# Altium PCB AIWAC_A33_RGB5寸LCD驱动板_20190109.PcbDoc (part 1 of 14)
Units mm, origin at the board's own origin, x right, y up, seen from the top; angles counter-clockwise.
Board outline 96.45 x 44.9 mm, 2 copper layers (Top Layer, Bottom Layer); 32 components, 42 nets, 22766 pads, 749 vias.
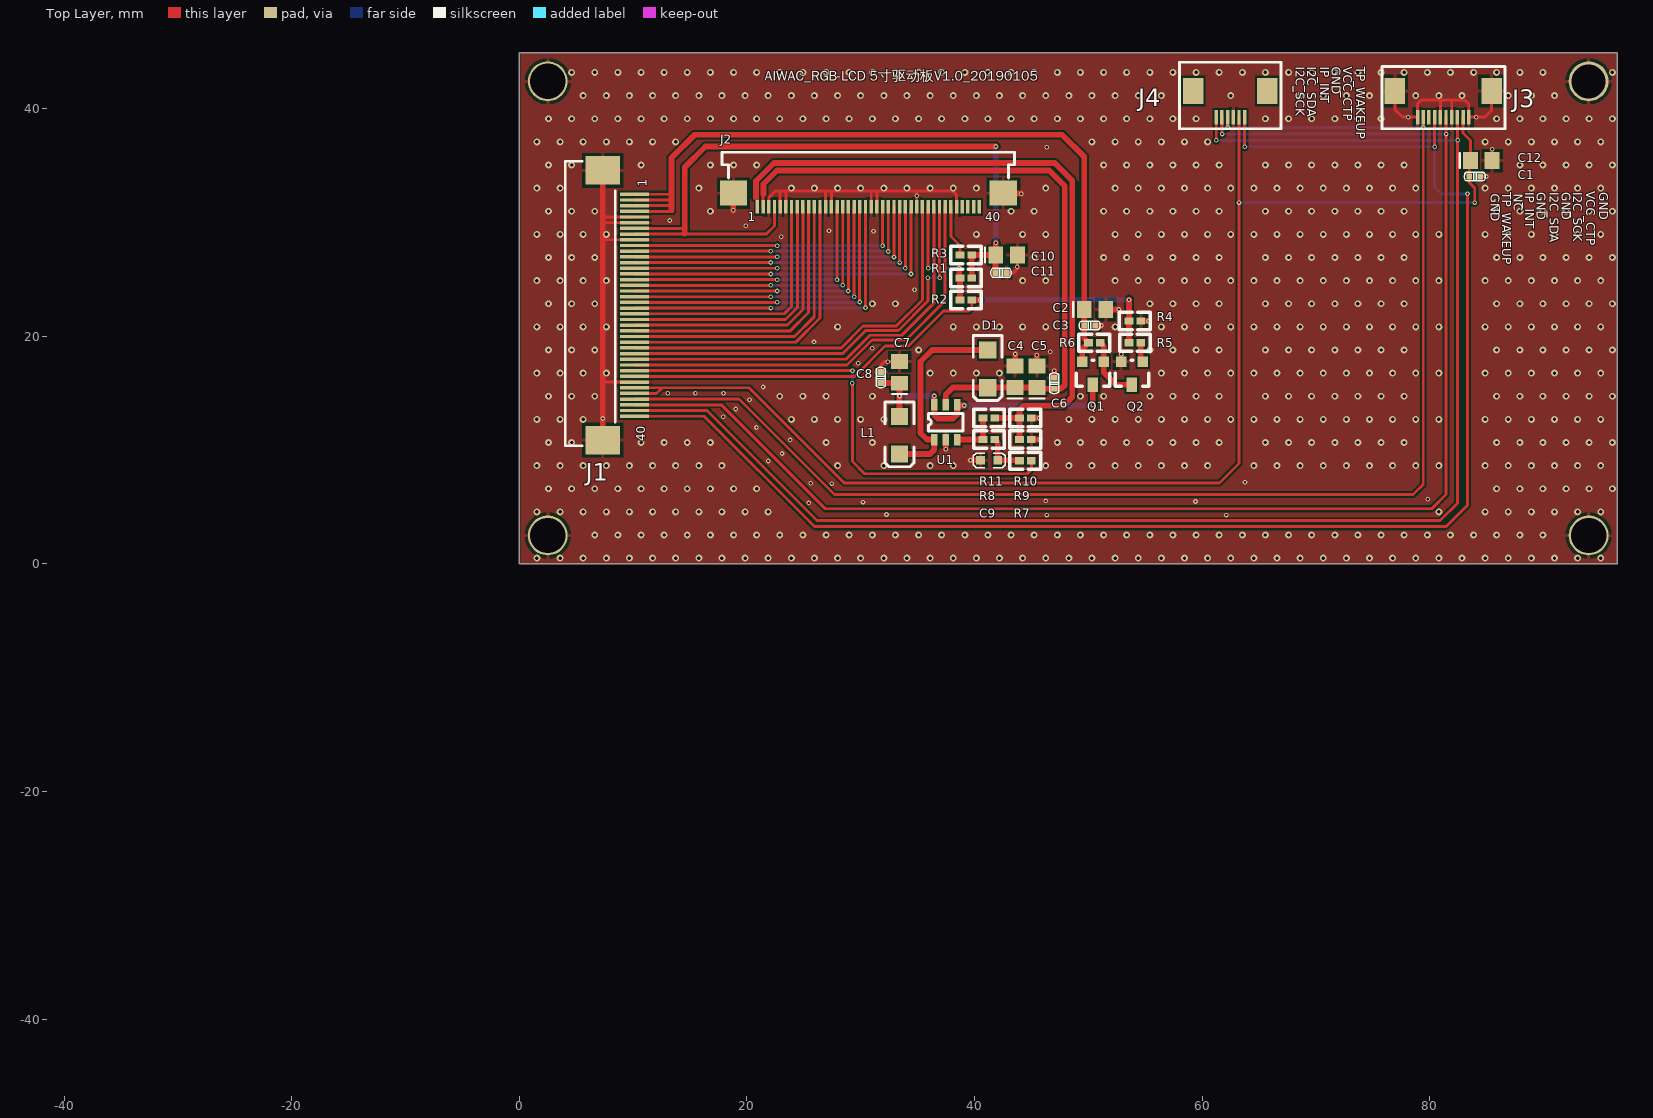
[diagram p0: Top Layer view]
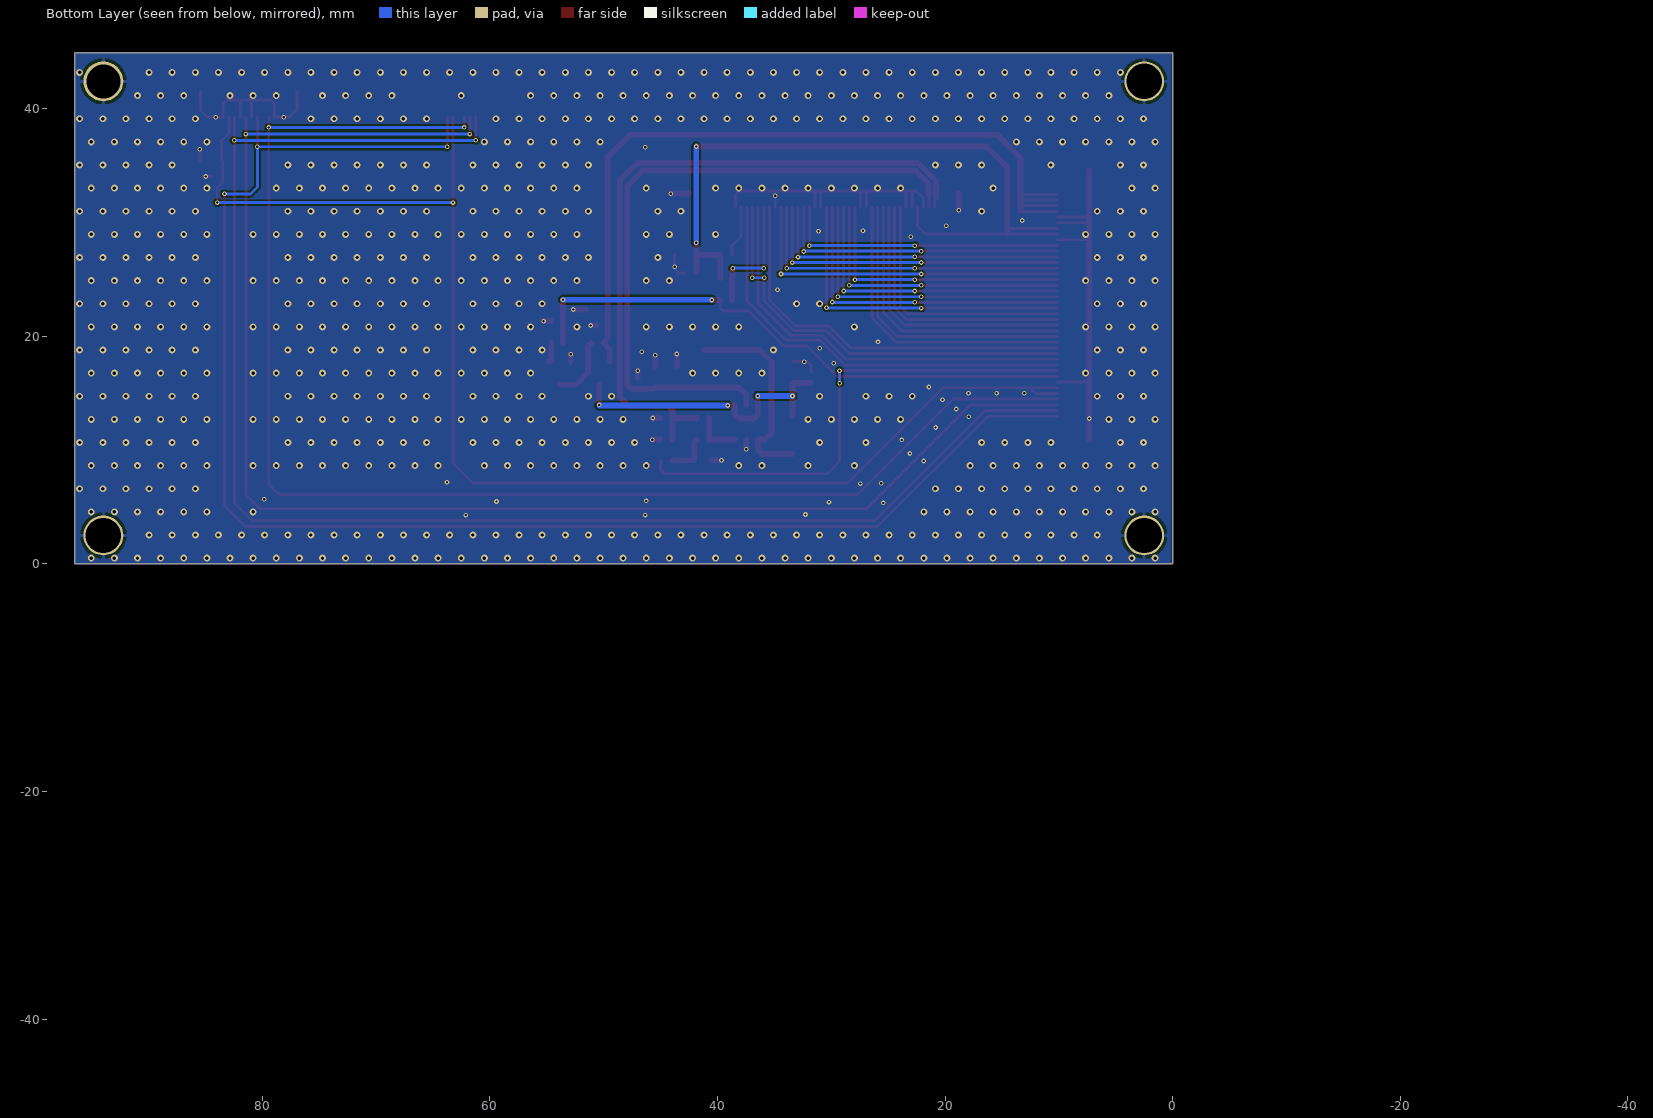
[diagram p1: Bottom Layer view, seen from below]

## Layer stack, top to bottom
Top Solder: solder mask 0.0102, Solder Resist, Dk 3.5
Top Layer: signal copper 0.0356
Dielectric 1: dielectric 0.32, FR-4, Dk 4.8
Bottom Layer: signal copper 0.0356
Bottom Solder: solder mask 0.0102, Solder Resist, Dk 3.5

## Board outline
0,0 0,44.9 96.45,44.9 96.45,0

## Design rules (kind name [scope] priority, off if disabled: settings)
Clearance Clearance_1 [All] p1: gap=0.152 ignorepadtopadclearanceinfootprint=FALSE except(0: Arc-Hole Track-Hole SMDPad-Hole THPad-Hole Via-Hole Fill-Hole Poly-Hole Region-Hole Text-Hole)
DiffPairsRouting DiffPair_DiffPairsRouting [All] p1: maxlimit=0.254 minlimit=0.254 mostfreqgap=0.254 toplayer_minwidth=0.254 toplayer_maxwidth=0.254 toplayer_prefwidth=0.254 bottomlayer_minwidth=0.254 bottomlayer_maxwidth=0.254 bottomlayer_prefwidth=0.254 maxuncoupledlength=12.7
DiffPairsRouting [All] p2: maxlimit=0.381 minlimit=0.254 mostfreqgap=0.254 toplayer_minwidth=0.254 toplayer_maxwidth=0.381 toplayer_prefwidth=0.254 bottomlayer_minwidth=0.254 bottomlayer_maxwidth=0.381 bottomlayer_prefwidth=0.254 maxuncoupledlength=12.7
MatchedLengths DiffPair_MatchedLengths [All] p1: tolerance=25.4 checknetsindiffpair=FALSE checkdiffpairvsdiffpair=TRUE checkxsignals=TRUE checkothers=TRUE
MinimumSolderMaskSliver [All] p1: minsoldermaskwidth=0.051
PlaneConnect [All] p1: planeconnectstyle=Direct reliefexpansion=0.508 reliefentries=4 reliefconductorwidth=0.254 reliefairgap=0.254
PolygonConnect PolygonConnect_2 [IsVia] p1: connectstyle=Direct reliefconductorwidth=0.254 reliefentries=4 polygonreliefangle="90 Angle" airgapwidth=0.254
PolygonConnect [All] p2: connectstyle=Relief reliefconductorwidth=0.254 reliefentries=4 polygonreliefangle="90 Angle" airgapwidth=0.254
RoutingVias [All] p1: holewidth=0.203 width=0.406 viastyle="Through Hole" minholewidth=0.203 minwidth=0.406 maxholewidth=0.203 maxwidth=0.406
SilkToSilkClearance [All] p1: silktosilkclearance=0.051
SilkToSolderMaskClearance [IsPad] p1: minsilkscreentomaskgap=0.051 clearancetoexposedcopper=TRUE
SolderMaskExpansion [All] p1: expansion=0.102
Width [All] p1: maxlimit=0.508 minlimit=0.152 preferedwidth=0.254 minimp=50.000000 maximp=50.000000 favimp=50.000000
25 further rules are at their usual default settings.

## Components (designator, comment, footprint, x,y, rotation, side; value= is the part's Value field where it differs from the comment)
C1 "0.1UF" C0402 83.947,34.036 r0 top
C2 "10UF" C0805 50.577,22.351 r0 top
C3 "0.1UF" C0402 50.109,20.954 r0 top
C4 "4.7UF" C0805 43.561,16.444 r90 top
C5 "4.7UF" C0805 45.466,16.444 r90 top
C6 "0.1UF" C0402 46.99,15.875 r90 top
C7 "10UF" C0805 33.401,16.825 r90 top
C8 "0.1UF" C0402 31.75,16.383 r90 top
C9 "4.7UF" C0603 40.513,9.106 r0 top
C10 "4.7UF" C0805 42.809,27.127 r0 top
C11 "0.1UF" C0402 42.316,25.578 r0 top
C12 "4.7UF" C0805 84.516,35.433 r0 top locked
D1 "IN5819" D1206 41.148,18.796 r270 top
J1 "A33_CON_40P" "LCD P40" 7.329,10.88 r90 top
J2 "LVDS_LCD_40P" FPC-59240HU010R 20.914,31.373 r0 top
J3 "FPC1-6P/DT" FPC0.5-10P/下接 83.42,39.256 r180 top
J4 "FPC0.5-6P/DT" FPC0.5-6P/下接 63.73,39.256 r180 top
L1 "10UH/NR4018T100M" D1206 33.401,12.954 r270 top
Q1 "PMOS/SI2301" U-SOT-23-3 51.354,17.779 r180 top
Q2 "NPN/MMBT3904" U-SOT-23-3 54.783,17.779 r180 top
R1 "0R NC" 0402 39.751,25.121 r180 top
R2 "0R" 0402 39.751,23.19 r180 top
R3 "0R" 0402 39.751,27.153 r180 top
R4 "10K" 0402 53.564,21.335 r0 top
R5 "4.7K" 0402 54.605,19.43 r180 top
R6 "10K" 0402 50.008,19.43 r0 top
R7 "13K" 0402 43.942,9.068 r0 top
R8 "1K" 0402 40.742,10.922 r0 top
R9 "10R(1%)" 0402 43.942,10.922 r0 top
R10 "NC" 0402 43.942,12.827 r0 top
R11 "1K" 0402 41.783,12.827 r180 top
U1 "AP3031" U-SOT-23-6 36.449,10.922 r180 top

## Footprints (in the part's own frame and the unit in brackets; to place one, negate y for a bottom-side part, rotate by r counter-clockwise, add the part's x,y. Pads: shape width x height; smd on the part's side, far side on the other; paste and mask are expansions set on the pad)
0402 [mil]
  rect 30x25 smd: 1(0,0) 2(41,0)
  silkscreen extent -33,-30 73,30
C0402 [mil]
  rect 20x22 smd: 1(-19,0) 2(19,0)
  silkscreen extent -36,-15 36,15
C0603 [mil]
  rect 30x30 smd: 1(0,0) 2(60,0)
  silkscreen extent -25,-25 85,25, body extent -1,-15 61,16, height 12
C0805 [mm] "Chip Capacitor; Body 2.0 x 1.2 mm (LxW typ)"
  rect 1.3x1.5 smd: 1(-0.95,0) 2(0.95,0)
  silkscreen extent -1.9,-0.65 -1.9,0.65
D1206 [mil]
  rect 60x60 smd: 1(0,0) 2(130,0)
  silkscreen extent -50,-50 174,50, body extent -22,-40 151,40, height 47
FPC0.5-6P/下接 [mm]
  rect 0.3x1.3 smd: 1(0,0) 2(0.5,0) 3(1,0) 4(1.5,0) 5(2,0) 6(2.5,0)
  rect 1.8x2.3 smd: 7(4.5,-2.3) 8(-2,-2.3)
  silkscreen extent -3.17,-4.83 5.72,1.02
FPC0.5-10P/下接 [mm]
  rect 0.3x1.3 smd: 1(0,0) 2(0.5,0) 3(1,0) 4(1.5,0) 5(2,0) 6(2.5,0) 7(3,0) 8(3.5,0) 9(4,0) 10(4.5,0)
  rect 1.8x2.3 smd: 11(-2,-2.3) 12(6.5,-2.3)
  silkscreen extent -3.17,-4.45 7.62,1.02
FPC-59240HU010R [mm]
  rect 2.4x2.2 smd: 0(-2.1,1.2) 0(21.6,1.2)
  rect 0.3x1.2 smd: 1(0,0) 2(0.5,0) 3(1,0) 4(1.5,0) 5(2,0) 6(2.5,0) 7(3,0) 8(3.5,0) 9(4,0) 10(4.5,0) 11(5,0) 12(5.5,0) 13(6,0) 14(6.5,0) 15(7,0) 16(7.5,0) 17(8,0) 18(8.5,0) 19(9,0) 20(9.5,0) 21(10,0) 22(10.5,0) 23(11,0) 24(11.5,0) 25(12,0) 26(12.5,0) 27(13,0) 28(13.5,0) 29(14,0) 30(14.5,0) 31(15,0) 32(15.5,0) 33(16,0) 34(16.5,0) 35(17,0) 36(17.5,0) 37(18,0) 38(18.5,0) 39(19,0) 40(19.5,0)
  silkscreen extent -3.1,2.54 22.6,4.8
"LCD P40" [mm] "0.5MM 下接"
  rect 0.3x2.54 smd: 1(21.6,-2.783) 2(21.1,-2.783) 3(20.6,-2.783) 4(20.1,-2.783) 5(19.6,-2.783) 6(19.1,-2.783) 7(18.6,-2.783) 8(18.1,-2.783) 9(17.6,-2.783) 10(17.1,-2.783) 11(16.6,-2.783) 12(16.1,-2.783) 13(15.6,-2.783) 14(15.1,-2.783) 15(14.6,-2.783) 16(14.1,-2.783) 17(13.6,-2.783) 18(13.1,-2.783) 19(12.6,-2.783) 20(12.1,-2.783) 21(11.6,-2.783) 22(11.1,-2.783) 23(10.6,-2.783) 24(10.1,-2.783) 25(9.6,-2.783) 26(9.1,-2.783) 27(8.6,-2.783) 28(8.1,-2.783) 29(7.6,-2.783) 30(7.1,-2.783) 31(6.6,-2.783) 32(6.1,-2.783) 33(5.6,-2.783) 34(5.1,-2.783) 35(4.6,-2.783) 36(4.1,-2.783) 37(3.6,-2.783) 38(3.1,-2.783) 39(2.6,-2.783) 40(2.1,-2.783)
  rect 2.5x3.048 smd: 41(0,0) 42(23.7,0)
  silkscreen extent -0.5,-1.1 24.5,3.3
U-SOT-23-3 [mil]
  rect 36x36 smd: 1(0,0) 2(75,0)
  rect 36x50 smd: 3(38,80)
  silkscreen extent -20,-5 95,85, body extent -20,-10 95,90, height 50
U-SOT-23-6 [mil]
  rect 22x40 smd: 1(0,0) 2(-40,0) 3(-80,0) 4(-80,-120) 5(-40,-120) 6(0,-120)
  silkscreen extent -100,-90 20,-30, body extent -101,-127 19,10, height 59

## Part data
C1 C3 C6 C8 C11: library part C0402X7R-104J10V, "贴片电容-陶瓷", ="无编码 有封装", 生产商="风华 三星", 规格型号=100nF±5%_10V_X7R_C0402
C2 C4 C5 C7 C10 C12: library part C0805X7R-226K25V, "贴片电容-陶瓷", 生产商="风华 三星", 规格型号=22uF±10%_25V_X7R_C0805
C9: library part C0603X7R-330J25V, "贴片电容-陶瓷", =无编码有封装, 生产商="风华 三星", 规格型号=33pF±5%_25V_X7R_C0603
D1: library part "D Schottky", "Schottky Diode", Code_JEDEC=DO-214-AA, LatestRevisionDate=17-Jul-2002, LatestRevisionNote="Re-released for DXP Platform.", PackageReference=SMB, Published=8-Jun-2000, Publisher="Altium Limited"
J1 J2: library part LCD_40P, "LCD_40P"
J3: library part J-FPC0.5-10P/DT, "FPC端子", 规格型号="FPC0.5-6P/DT 6P 脚间距0.5mm 下接触 抽屉式", 货品编码=样品无编码
J4: library part J-FPC0.5-6P/DT, "FPC端子", 规格型号="FPC0.5-6P/DT 6P 脚间距0.5mm 下接触 抽屉式", 货品编码=样品无编码
L1: library part 3.3uH, "贴片电感-屏蔽"
Q1: library part PMOS, "贴片MOSFET管", 生产商="Advanced Power", 规格型号=AP2309AGN-HF, 货品编码=331010
Q2: library part "SS8050 TO-23", "三极管", 单价=0.031
R1 R2 R3 R4 R5 R6 R7 R8 R9 R10 R11: library part R0603-10KF, "贴片电阻-通用", 生产商="厚声 国巨", 规格型号=10K±1%_1/10W_±200ppm_R0402

## Free pads (board coordinates)
  round 3.5 hole 3.1 unplated: 0(2.5,2.5) 0(93.95,2.5)
  round 3.5 hole 3.1: 0(2.5,42.4)
  round 3.5 hole 3: 0(93.95,42.4)